# KiCad board sizif128.kicad_pcb (continued)
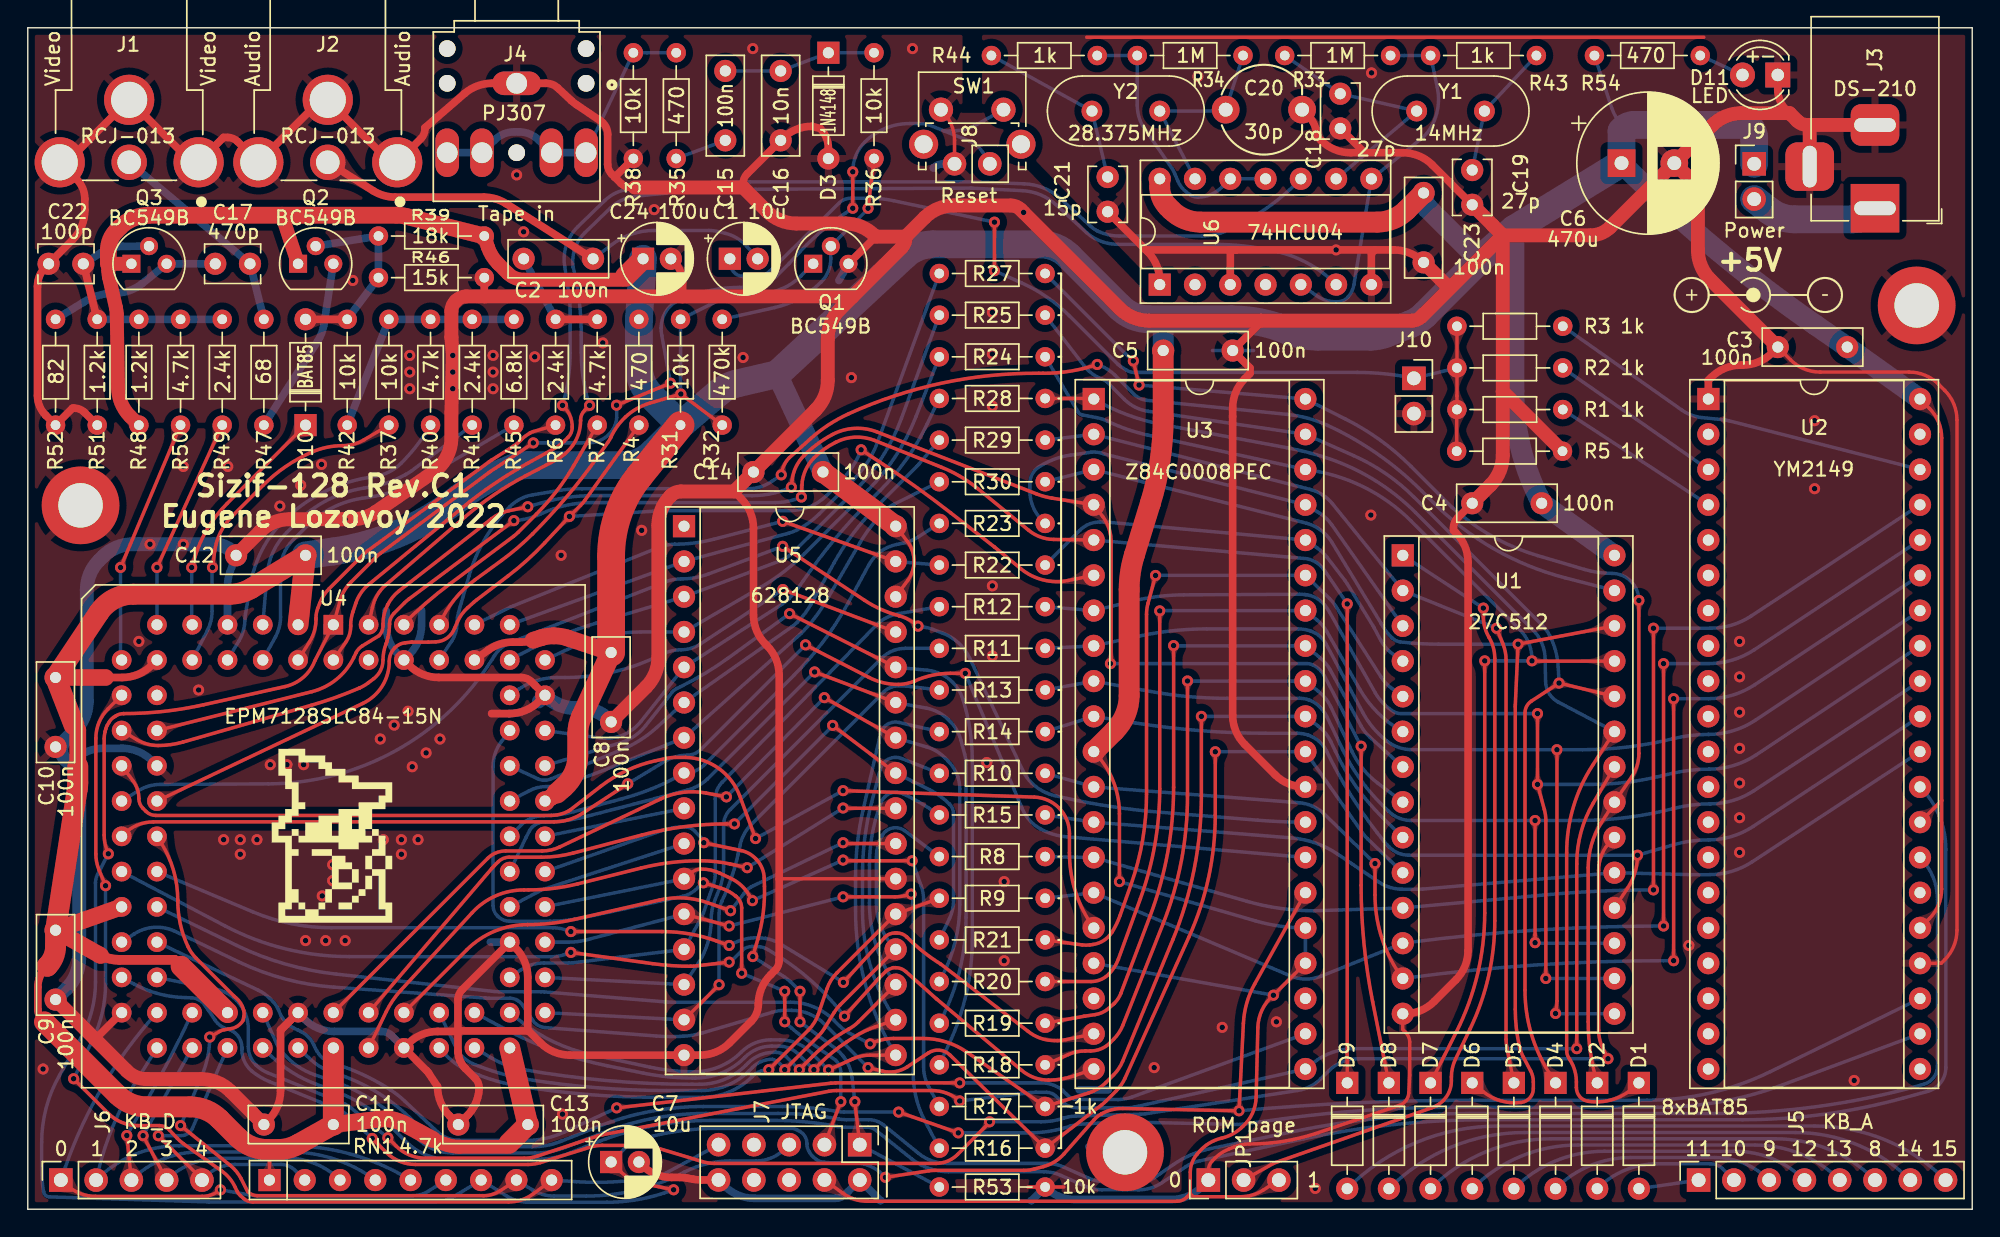
[diagram p0: board, top side]
## Copper pours and planes (outline as drawn; the poured copper is in the pictures) (continued)
nRD on Bottom: 90.47,9.63 90.65,9.66 90.81,9.67 90.94,9.66 91.06,9.63 91.17,9.59 91.27,9.53 91.38,9.48 91.5,9.42 91.64,9.37 91.81,9.32 92.38,10.19 91.49,10.73 91.37,10.62 91.26,10.51 91.18,10.41 91.1,10.31 91.03,10.22 90.95,10.13 90.85,10.06 90.74,9.99 90.59,9.93 90.41,9.88
nRD on Bottom: 93.24,11.14 93.06,11.05 92.91,11 92.77,10.96 92.65,10.94 92.53,10.93 92.41,10.93 92.28,10.93 92.15,10.93 92,10.91 91.82,10.88 91.67,9.86 92.71,9.74 92.77,9.9 92.82,10.04 92.85,10.17 92.88,10.3 92.91,10.41 92.95,10.52 93,10.63 93.09,10.73 93.2,10.82 93.36,10.92
nRD on Bottom: 89.68,9.46 89.97,9.52 90.22,9.55 90.43,9.57 90.62,9.57 90.79,9.56 90.96,9.53 91.14,9.49 91.33,9.44 91.55,9.38 91.81,9.32 92.38,10.19 91.49,10.73 91.29,10.56 91.12,10.42 90.96,10.29 90.82,10.18 90.68,10.08 90.52,10 90.35,9.92 90.15,9.84 89.91,9.77 89.63,9.7
nRD on Bottom: 11.42,16.41 11.16,16.46 10.95,16.52 10.77,16.58 10.61,16.64 10.47,16.72 10.34,16.8 10.21,16.89 10.07,17 9.91,17.13 9.73,17.27 8.95,16.77 9.48,16.01 9.7,16.07 9.9,16.13 10.07,16.17 10.22,16.21 10.38,16.23 10.53,16.25 10.7,16.25 10.89,16.24 11.11,16.21 11.37,16.16
nRFSH on Top: 63.03,42.52 63.16,42.47 63.26,42.41 63.35,42.36 63.42,42.3 63.49,42.24 63.54,42.18 63.59,42.1 63.64,42.02 63.69,41.92 63.74,41.82 64.26,41.88 64.18,42.39 64.05,42.42 63.94,42.45 63.84,42.47 63.75,42.5 63.67,42.53 63.58,42.56 63.26,42.7 63.12,42.75
nRFSH on Top: 55.41,47.2 55.29,47.28 55.19,47.35 55.11,47.42 55.04,47.48 54.98,47.54 54.92,47.61 54.87,47.68 54.81,47.76 54.76,47.85 54.69,47.95 54.18,47.86 54.3,47.35 54.42,47.34 54.53,47.32 54.62,47.3 54.71,47.28 54.79,47.26 54.87,47.23 54.96,47.18 55.05,47.13 55.15,47.07 55.27,46.99
nRFSH on Bottom: 9.3,30.72 8.94,30.67 8.63,30.62 8.38,30.55 8.15,30.48 7.94,30.41 7.74,30.33 7.53,30.26 7.29,30.2 7.02,30.15 6.7,30.11 6.46,29.21 7.36,29.02 7.52,29.28 7.67,29.51 7.81,29.71 7.95,29.89 8.1,30.05 8.27,30.17 8.47,30.28 8.71,30.36 8.99,30.43 9.32,30.47
nRFSH on Bottom: 65.31,41.84 65.05,41.94 64.94,41.98 64.85,42.02 64.77,42.06 64.69,42.1 64.61,42.14 64.53,42.19 64.44,42.25 64.33,42.33 63.9,42.03 64.22,41.62 64.33,41.65 64.43,41.68 64.52,41.7 64.61,41.72 64.7,41.73 64.78,41.72 64.87,41.71 64.98,41.69 65.09,41.66 65.22,41.61
nRFSH on Bottom: 90.4,27.79 90.59,27.77 90.74,27.74 90.87,27.69 90.98,27.63 91.07,27.57 91.16,27.49 91.26,27.41 91.36,27.33 91.49,27.25 91.63,27.16 92.39,27.88 91.65,28.6 91.5,28.52 91.38,28.44 91.27,28.36 91.18,28.29 91.08,28.21 90.99,28.15 90.88,28.1 90.75,28.06 90.6,28.04 90.41,28.04
nRFSH on Bottom: 8.58,30.57 8.32,30.49 8.11,30.41 7.92,30.35 7.76,30.3 7.61,30.26 7.45,30.22 7.3,30.19 7.12,30.16 6.92,30.13 6.69,30.11 6.46,29.21 7.36,29.02 7.48,29.21 7.58,29.39 7.67,29.55 7.75,29.69 7.84,29.82 7.95,29.94 8.07,30.05 8.23,30.15 8.42,30.24 8.66,30.33
nRFSH on Bottom: 89.6,27.82 89.9,27.8 90.14,27.77 90.35,27.73 90.54,27.69 90.7,27.63 90.86,27.56 91.03,27.48 91.2,27.39 91.4,27.28 91.63,27.16 92.39,27.88 91.65,28.6 91.42,28.49 91.22,28.39 91.04,28.3 90.87,28.23 90.71,28.17 90.54,28.12 90.36,28.09 90.15,28.07 89.91,28.06 89.62,28.07
nRFSH on Bottom: 53.28,47.22 53.41,47.27 53.53,47.3 53.63,47.33 53.73,47.36 53.81,47.37 53.9,47.37 53.99,47.38 54.08,47.37 54.19,47.36 54.31,47.35 54.54,47.82 54.06,48.03 53.97,47.94 53.9,47.86 53.83,47.79 53.76,47.74 53.69,47.69 53.62,47.64 53.54,47.59 53.44,47.55 53.33,47.5 53.19,47.45
nROMCS on Top: 113.24,24.7 113.28,24.96 113.34,25.17 113.42,25.34 113.53,25.48 113.65,25.6 113.79,25.7 113.96,25.79 114.14,25.87 114.56,26.05 114.5,27.08 113.44,26.86 113.41,26.6 113.37,26.38 113.32,26.19 113.27,26.01 113.22,25.84 113.17,25.67 113.12,25.49 113.07,25.27 113.03,25.02 112.99,24.73
nROMCS on Top: 68.51,5.33 68.62,5.44 68.71,5.53 68.8,5.6 68.87,5.66 68.95,5.71 69.02,5.75 69.1,5.79 69.19,5.84 69.41,5.93 69.38,6.45 68.86,6.4 68.83,6.28 68.8,6.18 68.77,6.09 68.73,6.01 68.69,5.93 68.65,5.86 68.59,5.78 68.52,5.7 68.43,5.61 68.33,5.51
nROMCS on Top: 113.42,25.44 113.5,25.6 113.58,25.71 113.67,25.79 113.77,25.85 113.88,25.88 114,25.91 114.13,25.93 114.26,25.95 114.4,25.99 114.56,26.05 114.5,27.08 113.47,26.99 113.43,26.81 113.4,26.66 113.38,26.53 113.37,26.4 113.37,26.28 113.35,26.16 113.34,26.03 113.3,25.89 113.26,25.72 113.19,25.53
nROMCS on Top: 113.03,12.3 113.08,12.1 113.12,11.93 113.17,11.78 113.26,11.53 113.29,11.42 113.33,11.3 113.35,11.16 113.37,11.01 113.38,10.84 113.86,10.66 114.02,11.16 113.89,11.26 113.77,11.36 113.68,11.45 113.59,11.54 113.52,11.63 113.46,11.74 113.41,11.86 113.36,12 113.32,12.16 113.28,12.35
nROMCS on Top: 25.73,4.35 25.63,4.45 25.54,4.54 25.48,4.62 25.42,4.7 25.37,4.77 25.33,4.84 25.29,4.92 25.26,5.01 25.22,5.11 25.18,5.23 24.66,5.24 24.67,4.72 24.79,4.68 24.89,4.64 24.98,4.61 25.06,4.57 25.13,4.53 25.2,4.48 25.28,4.42 25.36,4.36 25.45,4.27 25.55,4.17
nROMCS on Bottom: 8.99,15.77 8.72,15.87 8.49,15.97 8.29,16.07 8.13,16.17 7.99,16.29 7.87,16.41 7.74,16.55 7.62,16.72 7.49,16.9 7.34,17.12 6.45,16.87 6.73,15.99 7,15.98 7.23,15.96 7.43,15.94 7.62,15.91 7.79,15.88 7.97,15.84 8.16,15.78 8.37,15.72 8.62,15.63 8.91,15.54
nROMCS on Bottom: 23.84,5.82 23.95,5.72 24.04,5.63 24.11,5.55 24.17,5.48 24.22,5.41 24.26,5.34 24.3,5.26 24.34,5.17 24.38,5.07 24.43,4.96 24.95,4.96 24.92,5.48 24.8,5.52 24.7,5.55 24.61,5.59 24.53,5.62 24.45,5.66 24.37,5.7 24.3,5.76 24.21,5.82 24.12,5.9 24.01,6
nROMCS on Bottom: 8.34,16.02 8.16,16.11 8.01,16.2 7.89,16.29 7.8,16.38 7.73,16.48 7.66,16.59 7.52,16.83 7.44,16.96 7.34,17.12 6.45,16.87 6.73,15.99 6.91,15.98 7.08,15.99 7.35,16 7.47,15.99 7.6,15.99 7.73,15.96 7.88,15.93 8.05,15.87 8.24,15.79
nROMCS on Bottom: 70.44,6.42 70.3,6.43 70.17,6.43 70.07,6.44 69.97,6.45 69.89,6.47 69.8,6.49 69.72,6.52 69.63,6.56 69.54,6.61 69.42,6.66 69.05,6.3 69.42,5.94 69.54,5.99 69.63,6.04 69.72,6.08 69.8,6.11 69.89,6.13 69.97,6.15 70.07,6.16 70.17,6.17 70.3,6.17 70.44,6.17
nROMCS on Bottom: 112.58,10.72 112.73,10.71 112.85,10.71 112.96,10.7 113.05,10.69 113.14,10.67 113.22,10.65 113.3,10.62 113.39,10.58 113.49,10.53 113.6,10.48 113.97,10.84 113.6,11.2 113.49,11.15 113.39,11.1 113.3,11.06 113.22,11.03 113.14,11.01 113.05,10.99 112.96,10.98 112.85,10.97 112.73,10.97 112.58,10.97
nRST on Top: 43.44,58.48 43.31,58.43 43.19,58.38 43.09,58.35 43,58.33 42.91,58.31 42.83,58.3 42.74,58.3 42.64,58.3 42.54,58.3 42.41,58.31 42.2,57.84 42.69,57.65 42.77,57.74 42.84,57.82 42.91,57.88 42.97,57.94 43.04,58 43.11,58.05 43.2,58.09 43.29,58.14 43.4,58.19 43.54,58.25
nRST on Top: 90.94,20.65 91.09,20.9 91.22,21.11 91.35,21.28 91.47,21.42 91.6,21.54 91.74,21.65 91.88,21.76 92.05,21.87 92.24,22 92.45,22.15 92.18,23.15 91.19,22.84 91.18,22.58 91.17,22.36 91.16,22.16 91.15,21.98 91.13,21.81 91.09,21.63 91.04,21.45 90.96,21.25 90.86,21.03 90.72,20.77
nRST on Top: 91.33,21.35 91.43,21.51 91.52,21.63 91.62,21.72 91.72,21.79 91.83,21.84 91.94,21.89 92.05,21.93 92.17,21.99 92.31,22.05 92.45,22.15 92.18,23.15 91.19,22.84 91.19,22.68 91.2,22.53 91.22,22.39 91.24,22.27 91.26,22.16 91.27,22.04 91.27,21.92 91.24,21.79 91.19,21.64 91.11,21.47
nRST on Top: 45.22,58.94 45.36,58.99 45.47,59.03 45.57,59.06 45.66,59.09 45.75,59.1 45.84,59.11 45.92,59.12 46.02,59.12 46.13,59.11 46.25,59.1 46.46,59.58 45.98,59.77 45.89,59.68 45.82,59.6 45.75,59.53 45.69,59.47 45.62,59.42 45.55,59.37 45.47,59.32 45.37,59.27 45.26,59.22 45.13,59.17
nRST on Top: 59.28,73.29 59.27,73.15 59.27,73.02 59.26,72.92 59.25,72.82 59.23,72.74 59.21,72.65 59.18,72.57 59.14,72.48 59.09,72.39 59.04,72.27 59.4,71.9 59.76,72.27 59.71,72.39 59.66,72.48 59.62,72.57 59.59,72.65 59.57,72.74 59.55,72.82 59.54,72.92 59.53,73.02 59.53,73.15 59.53,73.29
nRST on Top: 59.53,73.53 59.53,73.68 59.53,73.8 59.54,73.91 59.55,74 59.57,74.09 59.59,74.17 59.62,74.25 59.66,74.34 59.71,74.44 59.76,74.55 59.4,74.92 59.04,74.55 59.09,74.44 59.14,74.34 59.18,74.25 59.21,74.17 59.23,74.09 59.25,74 59.26,73.91 59.27,73.8 59.27,73.68 59.28,73.53
nRST on Top: 87.14,8.29 87.14,8.14 87.12,8.02 87.11,7.91 87.09,7.82 87.07,7.74 87.04,7.65 87.01,7.57 86.97,7.49 86.92,7.39 86.86,7.28 87.2,6.89 87.58,7.25 87.53,7.36 87.49,7.46 87.46,7.55 87.43,7.64 87.41,7.72 87.4,7.8 87.39,7.9 87.39,8.01 87.39,8.13 87.39,8.27
nRST on Top: 21.14,40.15 21.26,40.38 21.37,40.57 21.48,40.72 21.59,40.85 21.7,40.97 21.81,41.07 21.94,41.17 22.08,41.28 22.24,41.39 22.43,41.53 22.16,42.42 21.29,42.12 21.29,41.88 21.28,41.68 21.28,41.51 21.27,41.35 21.26,41.19 21.23,41.04 21.18,40.87 21.12,40.7 21.03,40.49 20.92,40.26
nRST on Top: 23.08,45.16 22.81,44.84 22.61,44.56 22.45,44.3 22.33,44.05 22.23,43.82 22.14,43.59 22.03,43.36 21.89,43.12 21.72,42.86 21.48,42.58 21.9,41.76 22.7,42.23 22.64,42.57 22.58,42.88 22.54,43.16 22.53,43.43 22.54,43.68 22.59,43.92 22.68,44.17 22.82,44.42 23.01,44.69 23.27,44.99
nRST on Top: 86.02,6.99 86.16,6.98 86.28,6.98 86.39,6.97 86.48,6.95 86.57,6.93 86.65,6.91 86.73,6.88 86.82,6.84 86.92,6.79 87.03,6.73 87.41,7.09 87.04,7.45 86.93,7.4 86.83,7.36 86.74,7.32 86.66,7.29 86.58,7.27 86.49,7.26 86.4,7.25 86.29,7.24 86.17,7.24 86.02,7.24
nRST on Top: 21.46,40.78 21.55,40.92 21.63,41.03 21.71,41.12 21.8,41.19 21.89,41.24 21.98,41.28 22.08,41.33 22.19,41.38 22.3,41.45 22.43,41.53 22.16,42.42 21.29,42.12 21.29,41.97 21.31,41.83 21.33,41.72 21.35,41.61 21.36,41.51 21.37,41.4 21.37,41.3 21.35,41.18 21.31,41.04 21.24,40.89
nRST on Top: 43.42,2.3 43.24,2.42 43.12,2.53 43.03,2.64 42.96,2.76 42.92,2.89 42.89,3.02 42.87,3.16 42.85,3.32 42.81,3.48 42.76,3.66 41.72,3.68 41.74,2.64 41.93,2.58 42.09,2.53 42.24,2.5 42.37,2.46 42.5,2.43 42.63,2.39 42.77,2.34 42.92,2.28 43.09,2.2 43.29,2.09
nRST on Top: 44.12,2.02 43.84,2.1 43.61,2.21 43.43,2.32 43.28,2.46 43.17,2.61 43.07,2.78 42.99,2.96 42.92,3.18 42.84,3.41 42.76,3.66 41.72,3.68 41.8,2.63 42.08,2.55 42.32,2.46 42.52,2.38 42.7,2.3 42.88,2.21 43.06,2.13 43.25,2.04 43.48,1.95 43.74,1.87 44.06,1.78
nRST on Top: 22.26,43.5 22.21,43.34 22.15,43.22 22.09,43.12 22.01,43.04 21.94,42.97 21.85,42.9 21.77,42.84 21.67,42.77 21.57,42.68 21.47,42.57 21.9,41.76 22.7,42.23 22.67,42.37 22.63,42.5 22.58,42.61 22.54,42.71 22.5,42.81 22.47,42.91 22.46,43.01 22.45,43.13 22.47,43.27 22.5,43.43
nRST on Top: 35.48,54.44 35.6,54.51 35.7,54.58 35.8,54.63 35.88,54.67 35.96,54.7 36.05,54.73 36.13,54.75 36.23,54.77 36.33,54.79 36.45,54.8 36.57,55.31 36.06,55.4 35.99,55.3 35.94,55.2 35.88,55.12 35.83,55.05 35.78,54.99 35.71,54.92 35.64,54.86 35.56,54.8 35.46,54.72 35.34,54.64
nRST on Bottom: 42.17,56 42.3,56.21 42.38,56.39 42.43,56.57 42.46,56.73 42.47,56.88 42.48,57.03 42.5,57.18 42.54,57.34 42.61,57.5 42.72,57.68 42.38,58.11 42.03,57.73 42.12,57.55 42.19,57.39 42.24,57.24 42.28,57.1 42.29,56.95 42.28,56.81 42.24,56.66 42.18,56.5 42.09,56.33 41.97,56.15
nRST on Bottom: 66.51,77.57 67.02,77.56 67.45,77.61 67.82,77.7 68.13,77.81 68.43,77.94 68.71,78.07 69.01,78.19 69.35,78.28 69.73,78.33 70.18,78.33 70.63,79.41 69.53,79.7 69.28,79.34 69.05,79 68.82,78.71 68.6,78.45 68.36,78.23 68.09,78.06 67.79,77.92 67.43,77.84 67.02,77.81 66.53,77.82
nRST on Bottom: 67.47,76.94 67.72,76.82 67.91,76.7 68.06,76.57 68.17,76.42 68.25,76.26 68.31,76.09 68.35,75.9 68.37,75.69 68.42,75.21 69.49,74.94 69.58,76.09 69.32,76.2 69.11,76.3 68.93,76.41 68.77,76.51 68.62,76.61 68.46,76.71 68.29,76.82 68.09,76.93 67.85,77.05 67.56,77.17
nRST on Bottom: 37.59,55.32 37.45,55.33 37.32,55.33 37.22,55.34 37.12,55.35 37.04,55.37 36.95,55.39 36.87,55.42 36.78,55.46 36.69,55.51 36.57,55.56 36.2,55.2 36.57,54.84 36.69,54.89 36.78,54.94 36.87,54.98 36.95,55.01 37.04,55.03 37.12,55.05 37.22,55.06 37.32,55.07 37.45,55.07 37.59,55.07
nRST on Bottom: 59.51,75.95 59.45,75.8 59.32,75.48 59.29,75.4 59.25,75.31 59.21,75.23 59.17,75.14 59.12,75.04 59.05,74.92 59.39,74.52 59.77,74.88 59.73,74.99 59.69,75.08 59.66,75.17 59.64,75.26 59.63,75.34 59.63,75.42 59.64,75.51 59.66,75.61 59.69,75.72 59.74,75.85
nRST on Bottom: 44.24,5.2 43.89,5.1 43.6,5 43.36,4.89 43.15,4.78 42.96,4.67 42.78,4.57 42.58,4.46 42.37,4.36 42.11,4.27 41.8,4.17 41.72,3.12 42.76,3.14 42.85,3.42 42.94,3.68 43.02,3.91 43.12,4.12 43.22,4.31 43.36,4.48 43.52,4.62 43.73,4.75 43.99,4.87 44.3,4.96
nRST on Bottom: 29.22,0.4 29.7,0.43 30.11,0.5 30.45,0.6 30.74,0.72 31.01,0.85 31.28,0.98 31.55,1.1 31.86,1.2 32.22,1.27 32.65,1.3 32.98,2.31 31.97,2.54 31.74,2.19 31.54,1.87 31.34,1.59 31.13,1.34 30.92,1.14 30.68,0.97 30.4,0.83 30.07,0.73 29.68,0.67 29.22,0.65
nRST on Bottom: 58.29,71.2 58.44,71.3 58.56,71.39 58.67,71.46 58.77,71.51 58.86,71.56 58.96,71.6 59.06,71.63 59.18,71.66 59.3,71.68 59.45,71.7 59.57,72.21 59.06,72.3 58.98,72.17 58.9,72.06 58.83,71.97 58.76,71.89 58.69,71.82 58.61,71.74 58.52,71.67 58.41,71.59 58.15,71.4
nRST on Bottom: 35.99,0.63 35.54,0.66 35.16,0.72 34.83,0.82 34.56,0.96 34.33,1.13 34.12,1.34 33.92,1.58 33.73,1.86 33.53,2.18 33.32,2.53 32.3,2.31 32.62,1.3 33.04,1.27 33.39,1.19 33.69,1.09 33.97,0.97 34.22,0.84 34.49,0.71 34.78,0.59 35.11,0.49 35.51,0.41 35.98,0.38
nRST on Bottom: 68.09,76.64 68.25,76.52 68.35,76.4 68.42,76.28 68.45,76.15 68.46,76.02 68.45,75.88 68.43,75.73 68.42,75.57 68.41,75.4 68.42,75.21 69.49,74.94 69.72,76.02 69.54,76.13 69.39,76.21 69.25,76.29 69.13,76.35 69,76.41 68.88,76.47 68.75,76.54 68.6,76.62 68.43,76.72 68.23,76.85
nRST on Bottom: 31.34,1.17 31.51,1.26 31.65,1.32 31.78,1.35 31.91,1.36 32.02,1.35 32.14,1.34 32.26,1.32 32.39,1.3 32.54,1.3 32.71,1.3 32.98,2.31 31.97,2.54 31.88,2.39 31.82,2.26 31.77,2.13 31.73,2.01 31.69,1.9 31.64,1.8 31.57,1.7 31.49,1.59 31.37,1.49 31.21,1.39
nRST on Bottom: 60.75,2.92 60.87,2.85 60.97,2.79 61.05,2.73 61.12,2.67 61.17,2.6 61.22,2.53 61.26,2.46 61.3,2.37 61.33,2.27 61.38,2.16 61.9,2.16 61.87,2.68 61.75,2.72 61.64,2.76 61.55,2.8 61.46,2.83 61.38,2.87 61.3,2.91 61,3.07 60.86,3.14
nRST on Bottom: 68.79,78.24 68.97,78.33 69.13,78.39 69.28,78.42 69.41,78.42 69.54,78.41 69.67,78.39 69.8,78.36 69.95,78.34 70.11,78.32 70.3,78.33 70.63,79.41 69.53,79.7 69.43,79.55 69.36,79.4 69.3,79.26 69.25,79.14 69.2,79.02 69.15,78.9 69.07,78.79 68.97,78.68 68.84,78.57 68.66,78.46
nRST on Bottom: 43.47,4.89 43.24,4.76 43.05,4.66 42.88,4.58 42.73,4.51 42.59,4.45 42.45,4.4 42.3,4.35 41.95,4.23 41.74,4.16 41.72,3.12 42.76,3.14 42.82,3.35 42.87,3.54 42.9,3.71 42.94,3.87 42.99,4.02 43.04,4.16 43.13,4.29 43.24,4.42 43.39,4.55 43.59,4.67
nRST on Bottom: 134.87,14.37 135.04,14.44 135.19,14.49 135.32,14.5 135.44,14.5 135.56,14.49 135.67,14.46 135.8,14.43 135.93,14.41 136.07,14.39 136.24,14.38 136.6,15.36 135.61,15.67 135.51,15.54 135.44,15.41 135.38,15.29 135.33,15.17 135.28,15.07 135.22,14.97 135.14,14.87 135.05,14.78 134.92,14.68 134.76,14.59
nRST on Bottom: 34.05,1.36 33.9,1.47 33.78,1.58 33.7,1.68 33.64,1.78 33.59,1.89 33.55,2 33.51,2.12 33.46,2.24 33.4,2.38 33.32,2.53 32.3,2.31 32.55,1.3 32.72,1.29 32.87,1.3 33.01,1.31 33.13,1.33 33.25,1.34 33.36,1.34 33.48,1.33 33.61,1.3 33.76,1.24 33.92,1.15
nRST on Bottom: 88.39,7.32 88.24,7.31 88.12,7.3 88.01,7.3 87.92,7.31 87.83,7.32 87.75,7.33 87.66,7.36 87.57,7.38 87.47,7.42 87.35,7.46 87.01,7.07 87.42,6.75 87.52,6.81 87.62,6.87 87.7,6.91 87.78,6.95 87.86,6.98 87.95,7 88.04,7.03 88.14,7.04 88.27,7.06 88.41,7.07
nRST on Bottom: 134.15,14.02 134.41,14.14 134.64,14.23 134.84,14.3 135.03,14.35 135.2,14.37 135.38,14.39 135.56,14.39 135.76,14.39 135.98,14.38 136.24,14.38 136.6,15.36 135.61,15.67 135.45,15.47 135.32,15.29 135.2,15.13 135.08,14.99 134.97,14.86 134.84,14.74 134.69,14.62 134.51,14.5 134.3,14.38 134.04,14.24
nRST on Bottom: 45.09,0.82 45.28,0.87 45.43,0.92 45.57,0.95 45.69,0.98 45.8,1.01 45.91,1.02 46.03,1.03 46.15,1.03 46.29,1.02 46.45,1 46.69,1.46 46.22,1.69 46.1,1.58 46,1.48 45.9,1.41 45.81,1.34 45.71,1.29 45.61,1.24 45.5,1.2 45.36,1.16 45.21,1.11 45.03,1.07
nRST on Bottom: 5.36,24.49 5.43,24.61 5.49,24.72 5.55,24.81 5.6,24.89 5.66,24.96 5.72,25.02 5.78,25.08 5.85,25.14 5.94,25.2 6.04,25.28 5.89,25.78 5.4,25.61 5.4,25.49 5.39,25.38 5.38,25.28 5.37,25.2 5.36,25.11 5.33,25.03 5.3,24.94 5.26,24.84 5.2,24.73 5.14,24.6
nVRD on Top: 59.9,29 59.76,29.01 59.63,29.01 59.53,29.02 59.43,29.03 59.35,29.05 59.27,29.07 59.18,29.1 59.1,29.14 59,29.19 58.89,29.25 58.5,28.91 58.86,28.53 58.97,28.58 59.07,28.62 59.17,28.66 59.25,28.69 59.34,28.71 59.42,28.73 59.52,28.74 59.63,28.75 59.75,28.75 59.9,28.75
nVRD on Top: 60.9,28.75 61.09,28.75 61.24,28.72 61.37,28.68 61.48,28.62 61.57,28.56 61.67,28.48 61.76,28.41 61.87,28.32 61.99,28.24 62.14,28.16 62.89,28.88 62.14,29.6 61.99,29.52 61.87,29.44 61.76,29.35 61.67,29.28 61.57,29.2 61.48,29.14 61.37,29.08 61.24,29.04 61.09,29.01 60.9,29
nVRD on Top: 60.1,28.75 60.39,28.75 60.64,28.73 60.85,28.7 61.03,28.66 61.2,28.61 61.36,28.55 61.53,28.47 61.71,28.38 61.91,28.28 62.14,28.16 62.89,28.88 62.14,29.6 61.91,29.48 61.71,29.38 61.53,29.29 61.36,29.21 61.2,29.15 61.03,29.1 60.85,29.06 60.64,29.03 60.39,29.01 60.1,29
nVRD on Top: 25.36,13.59 25.24,13.36 25.13,13.17 25.03,13.01 24.93,12.88 24.82,12.76 24.71,12.65 24.58,12.55 24.44,12.44 24.28,12.32 24.1,12.18 24.38,11.3 25.25,11.62 25.25,11.85 25.25,12.05 25.25,12.23 25.25,12.39 25.26,12.54 25.29,12.7 25.33,12.86 25.39,13.04 25.48,13.25 25.59,13.48
nVRD on Top: 25.05,12.95 24.97,12.81 24.89,12.69 24.81,12.61 24.72,12.54 24.63,12.48 24.54,12.44 24.44,12.39 24.34,12.33 24.22,12.27 24.1,12.18 24.38,11.3 25.25,11.62 25.24,11.77 25.23,11.9 25.21,12.02 25.18,12.12 25.16,12.23 25.15,12.33 25.15,12.44 25.17,12.56 25.21,12.69 25.27,12.84
nVRD on Bottom: 52.74,25.34 52.62,25.26 52.51,25.2 52.42,25.15 52.33,25.11 52.25,25.08 52.17,25.06 52.08,25.04 51.99,25.02 51.88,25.01 51.76,25 51.63,24.49 52.14,24.39 52.2,24.49 52.26,24.58 52.32,24.66 52.37,24.73 52.43,24.79 52.49,24.85 52.57,24.91 52.65,24.98 52.75,25.05 52.88,25.12
nVRD on Bottom: 57.76,28.16 57.88,28.24 57.99,28.3 58.08,28.35 58.17,28.39 58.25,28.42 58.33,28.44 58.42,28.46 58.51,28.48 58.62,28.49 58.74,28.5 58.87,29.01 58.36,29.11 58.3,29.01 58.24,28.92 58.18,28.84 58.13,28.77 58.07,28.71 58.01,28.65 57.93,28.59 57.85,28.52 57.75,28.45 57.62,28.38
nVWR on Top: 55.52,44.34 55.39,44.39 55.27,44.43 55.18,44.48 55.09,44.52 55.02,44.57 54.95,44.62 54.88,44.68 54.81,44.75 54.74,44.82 54.65,44.91 54.18,44.71 54.4,44.24 54.52,44.25 54.63,44.26 54.73,44.26 54.81,44.26 54.9,44.25 54.99,44.24 55.08,44.22 55.18,44.19 55.3,44.15 55.43,44.1
nVWR on Top: 60.21,42.3 60.48,42.2 60.71,42.09 60.89,41.99 61.05,41.89 61.19,41.78 61.32,41.66 61.45,41.53 61.58,41.39 61.73,41.22 61.91,41.03 62.86,41.44 62.42,42.38 62.16,42.35 61.93,42.32 61.74,42.3 61.55,42.29 61.38,42.29 61.2,42.3 61.02,42.32 60.81,42.37 60.57,42.44 60.3,42.54
nVWR on Top: 60.96,42.02 61.13,41.95 61.26,41.87 61.37,41.78 61.45,41.69 61.52,41.6 61.58,41.5 61.64,41.39 61.71,41.28 61.8,41.16 61.91,41.03 62.86,41.44 62.42,42.38 62.25,42.35 62.1,42.32 61.98,42.28 61.86,42.24 61.75,42.21 61.63,42.18 61.51,42.17 61.38,42.17 61.22,42.2 61.05,42.26
nVWR on Bottom: 53.44,43.88 53.56,43.96 53.67,44.02 53.76,44.07 53.84,44.11 53.92,44.14 54.01,44.17 54.09,44.19 54.19,44.21 54.29,44.22 54.42,44.24 54.53,44.75 54.02,44.84 53.96,44.74 53.9,44.64 53.85,44.56 53.79,44.49 53.74,44.43 53.68,44.37 53.6,44.3 53.52,44.24 53.42,44.17 53.3,44.09
nVWR on Bottom: 36.6,38.2 36.33,38.11 36.1,38.04 35.9,37.98 35.73,37.93 35.57,37.89 35.41,37.86 35.24,37.82 35.06,37.79 34.85,37.76 34.6,37.72 34.41,36.82 35.31,36.66 35.43,36.86 35.53,37.04 35.62,37.2 35.71,37.35 35.81,37.47 35.93,37.59 36.06,37.69 36.23,37.78 36.43,37.87 36.67,37.96
nVWR on Bottom: 35.92,37.93 35.75,37.86 35.61,37.8 35.48,37.77 35.36,37.76 35.25,37.75 35.14,37.75 35.03,37.75 34.9,37.75 34.76,37.74 34.6,37.72 34.41,36.82 35.31,36.66 35.39,36.8 35.44,36.93 35.48,37.05 35.52,37.16 35.56,37.26 35.61,37.36 35.68,37.45 35.76,37.54 35.88,37.62 36.03,37.7
nWR on Top: 65.91,8.97 66.05,8.97 66.18,8.97 66.28,8.96 66.38,8.95 66.46,8.93 66.55,8.91 66.63,8.88 66.72,8.84 66.81,8.79 66.93,8.74 67.3,9.1 66.93,9.46 66.81,9.41 66.72,9.36 66.63,9.32 66.55,9.29 66.46,9.27 66.38,9.25 66.28,9.24 66.18,9.23 66.05,9.23 65.91,9.22
nWR on Bottom: 90.54,11.98 90.72,12.03 90.87,12.06 91.01,12.06 91.13,12.05 91.24,12.02 91.35,11.99 91.47,11.94 91.6,11.9 91.74,11.87 91.91,11.84 92.37,12.78 91.42,13.2 91.3,13.07 91.22,12.95 91.14,12.84 91.08,12.73 91.02,12.63 90.95,12.54 90.87,12.45 90.76,12.36 90.63,12.29 90.45,12.21
nWR on Bottom: 41.37,6.69 41.5,6.75 41.62,6.79 41.72,6.83 41.81,6.86 41.89,6.88 41.98,6.89 42.07,6.9 42.16,6.9 42.27,6.9 42.39,6.9 42.58,7.38 42.09,7.55 42.01,7.46 41.94,7.38 41.88,7.3 41.82,7.24 41.75,7.19 41.68,7.13 41.6,7.08 41.51,7.03 41.4,6.98 41.27,6.91
nWR on Bottom: 68.29,9.22 68.15,9.23 68.02,9.23 67.92,9.24 67.82,9.25 67.74,9.27 67.65,9.29 67.57,9.32 67.48,9.36 67.39,9.41 67.27,9.46 66.9,9.1 67.27,8.74 67.39,8.79 67.48,8.84 67.57,8.88 67.65,8.91 67.74,8.93 67.82,8.95 67.92,8.96 68.02,8.97 68.15,8.97 68.29,8.97
nWR on Bottom: 10.64,18.74 10.49,18.82 10.38,18.9 10.29,18.98 10.22,19.07 10.16,19.16 10.12,19.25 10.07,19.35 10.01,19.45 9.94,19.56 9.85,19.69 8.98,19.39 9.31,18.53 9.46,18.54 9.59,18.55 9.7,18.58 9.81,18.6 9.91,18.62 10.02,18.64 10.12,18.64 10.24,18.62 10.38,18.58 10.53,18.52
nWR on Bottom: 11.28,18.44 11.05,18.55 10.85,18.66 10.69,18.76 10.56,18.87 10.44,18.97 10.33,19.08 10.23,19.21 10.12,19.35 10,19.5 9.85,19.69 8.98,19.39 9.31,18.53 9.54,18.53 9.74,18.54 9.91,18.54 10.08,18.54 10.23,18.53 10.39,18.5 10.55,18.46 10.73,18.4 10.93,18.32 11.17,18.21
nWR on Bottom: 89.79,11.7 90.06,11.8 90.3,11.87 90.51,11.91 90.7,11.94 90.87,11.95 91.05,11.94 91.23,11.92 91.43,11.9 91.65,11.87 91.91,11.84 92.37,12.78 91.42,13.2 91.24,13.01 91.08,12.84 90.95,12.7 90.82,12.57 90.69,12.45 90.55,12.34 90.39,12.24 90.2,12.14 89.98,12.04 89.7,11.94
RA14 on Top: 75.88,60.4 76.02,60.43 76.14,60.46 76.25,60.48 76.35,60.49 76.44,60.5 76.52,60.5 76.61,60.49 76.71,60.48 76.82,60.47 76.94,60.45 77.19,60.91 76.72,61.14 76.63,61.05 76.56,60.98 76.48,60.92 76.41,60.87 76.34,60.82 76.26,60.78 76.18,60.74 76.08,60.71 75.96,60.68 75.82,60.64
RA14 on Top: 54.61,54.08 54.51,53.95 54.43,53.85 54.37,53.75 54.31,53.67 54.21,53.51 54.15,53.43 54.1,53.35 54.03,53.26 53.94,53.15 54.2,52.7 54.64,52.98 54.62,53.09 54.6,53.2 54.58,53.29 54.57,53.38 54.58,53.46 54.59,53.54 54.62,53.63 54.66,53.72 54.73,53.81 54.81,53.92
RA14 on Bottom: 112.67,44.84 112.85,44.78 112.99,44.72 113.1,44.64 113.19,44.56 113.27,44.48 113.34,44.38 113.42,44.28 113.5,44.18 113.6,44.07 113.72,43.95 114.63,44.46 114.08,45.34 113.92,45.3 113.78,45.25 113.65,45.2 113.54,45.15 113.43,45.1 113.32,45.06 113.21,45.04 113.07,45.03 112.92,45.04 112.73,45.08
RA14 on Bottom: 52.9,51.95 53.09,52.02 53.26,52.09 53.4,52.16 53.52,52.22 53.63,52.28 53.74,52.34 53.86,52.39 53.99,52.43 54.13,52.47 54.31,52.5 54.41,53.01 53.9,53.09 53.82,52.95 53.74,52.82 53.66,52.71 53.58,52.61 53.5,52.53 53.4,52.45 53.29,52.38 53.16,52.32 53,52.25 52.81,52.18
RA14 on Bottom: 111.89,45.04 112.18,44.96 112.41,44.88 112.61,44.8 112.78,44.71 112.93,44.62 113.07,44.52 113.21,44.4 113.36,44.27 113.53,44.12 113.72,43.95 114.63,44.46 114.08,45.34 113.83,45.29 113.61,45.24 113.41,45.2 113.23,45.17 113.06,45.14 112.89,45.13 112.7,45.14 112.49,45.17 112.24,45.21 111.96,45.28
RA14 on Bottom: 30.3,40.82 30.2,40.68 30.1,40.58 30.01,40.5 29.92,40.45 29.82,40.4 29.73,40.37 29.62,40.34 29.51,40.29 29.39,40.24 29.26,40.17 29.42,39.26 30.32,39.47 30.34,39.62 30.34,39.75 30.33,39.87 30.32,39.98 30.32,40.08 30.32,40.18 30.33,40.29 30.37,40.41 30.42,40.53 30.51,40.68
RA14 on Bottom: 30.77,42.28 30.77,41.92 30.73,41.62 30.66,41.36 30.55,41.14 30.41,40.96 30.23,40.79 30.03,40.64 29.8,40.49 29.54,40.34 29.26,40.17 29.42,39.26 30.33,39.59 30.34,39.93 30.39,40.21 30.47,40.45 30.57,40.67 30.68,40.88 30.79,41.09 30.89,41.33 30.97,41.59 31.02,41.91 31.02,42.29
RA14 on Bottom: 78.13,60.38 78.01,60.47 77.74,60.69 77.67,60.74 77.6,60.8 77.54,60.86 77.47,60.93 77.39,61.02 77.3,61.11 76.82,60.93 77.02,60.45 77.14,60.46 77.25,60.46 77.34,60.46 77.43,60.46 77.51,60.44 77.59,60.42 77.68,60.38 77.77,60.33 77.86,60.27 77.97,60.18
Red on Bottom: 15,40.84 14.91,40.7 14.82,40.6 14.73,40.52 14.64,40.46 14.55,40.41 14.45,40.37 14.35,40.33 14.24,40.29 14.12,40.23 13.99,40.15 14.2,39.25 15.09,39.5 15.1,39.65 15.09,39.78 15.08,39.9 15.06,40.01 15.05,40.11 15.05,40.21 15.06,40.32 15.09,40.44 15.14,40.57 15.22,40.72
Red on Bottom: 27.9,54.67 28.07,54.87 28.22,55.04 28.35,55.18 28.47,55.29 28.6,55.39 28.72,55.48 28.86,55.57 29.01,55.66 29.18,55.77 29.37,55.89 29.19,56.78 28.3,56.55 28.28,56.33 28.26,56.14 28.25,55.96 28.22,55.81 28.19,55.66 28.14,55.51 28.07,55.36 27.98,55.21 27.86,55.03 27.71,54.83
Red on Bottom: 15.5,42.3 15.46,41.94 15.4,41.63 15.32,41.38 15.21,41.16 15.07,40.97 14.91,40.8 14.72,40.65 14.51,40.49 14.26,40.33 13.99,40.15 14.2,39.25 15.09,39.51 15.13,39.86 15.18,40.14 15.25,40.39 15.33,40.62 15.42,40.83 15.5,41.05 15.58,41.29 15.65,41.57 15.71,41.89 15.75,42.28
Red on Bottom: 28.33,55.23 28.44,55.36 28.54,55.46 28.63,55.54 28.72,55.59 28.82,55.64 28.91,55.68 29.02,55.71 29.12,55.76 29.24,55.81 29.37,55.89 29.19,56.78 28.3,56.55 28.3,56.41 28.3,56.28 28.31,56.16 28.32,56.06 28.33,55.95 28.33,55.85 28.31,55.75 28.28,55.64 28.22,55.52 28.13,55.38
